# Altium PCB EE4951_BPM_REVA.PcbDoc (part 1 of 3)
Units mil, origin at the board's own origin, x right, y up, seen from the top; angles counter-clockwise.
Board outline 2500 x 2000 mil, 4 copper layers (Top Layer, Ground Plane, Mid Layer 1, Bottom Layer), stack 30.634 mil thick; 227 components, 141 nets, 756 pads, 403 vias.
Unrouted connection lines stored in the file: 7.
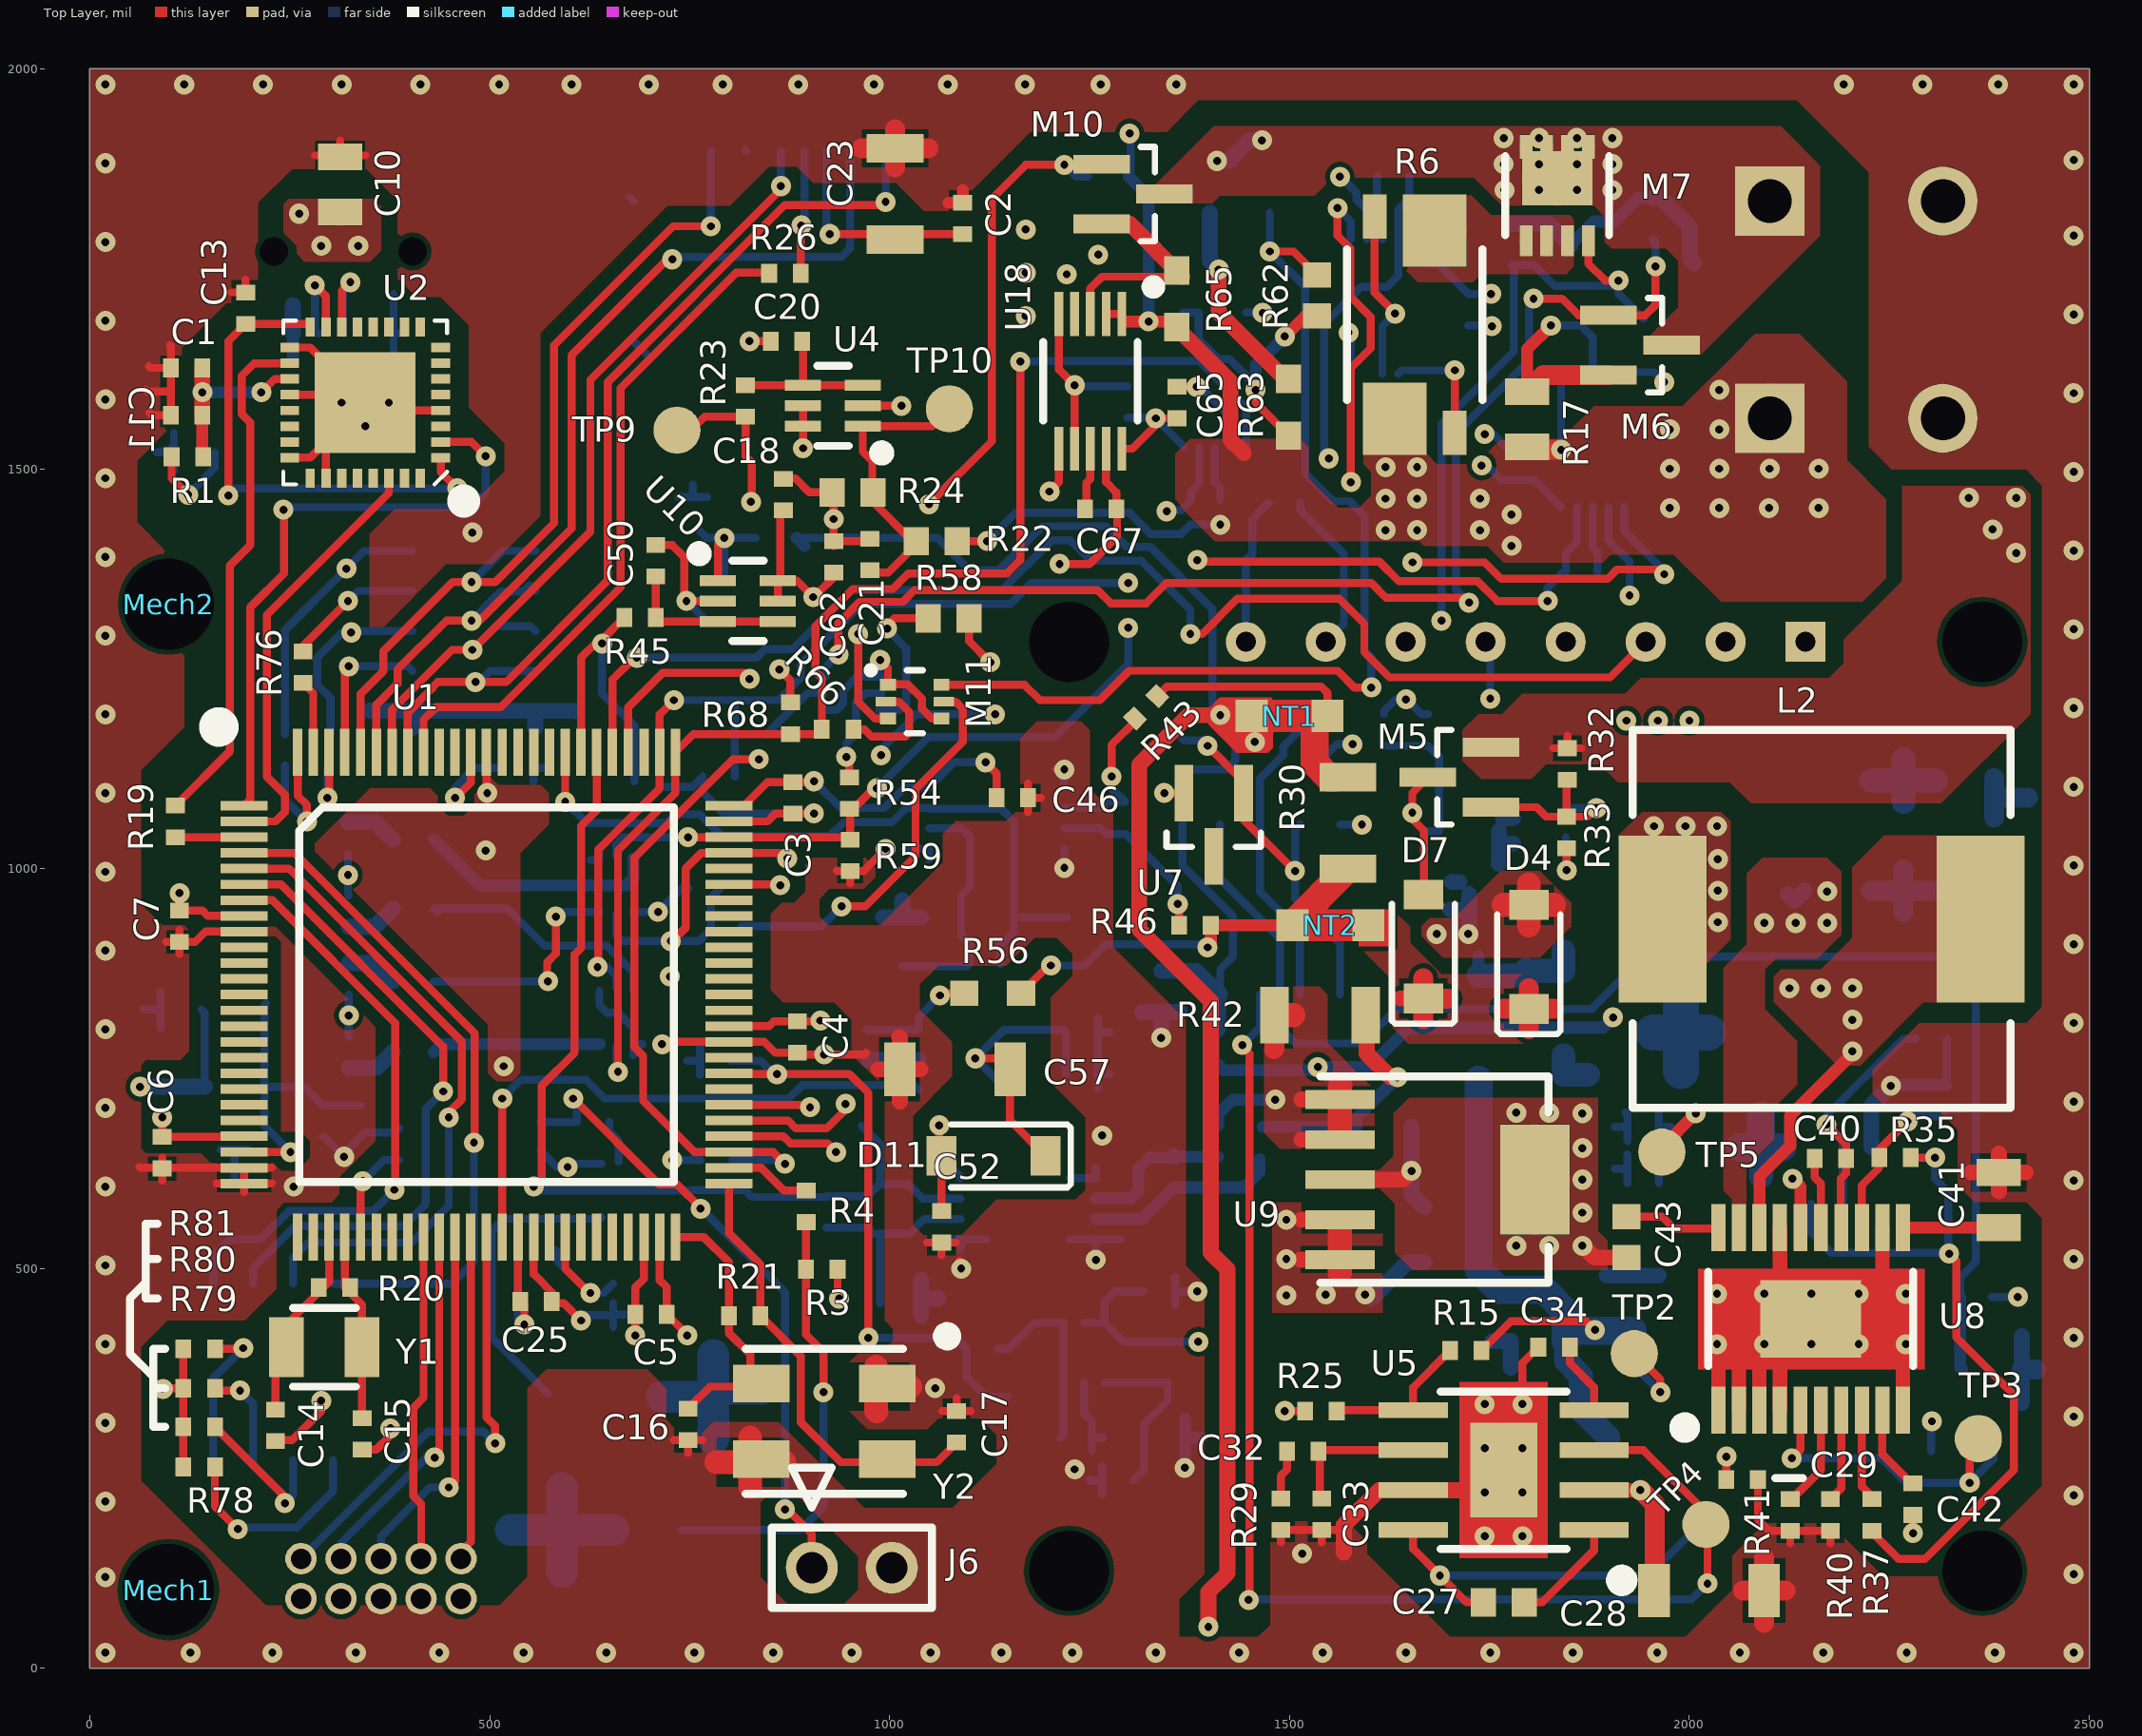
[diagram p0: Top Layer view]
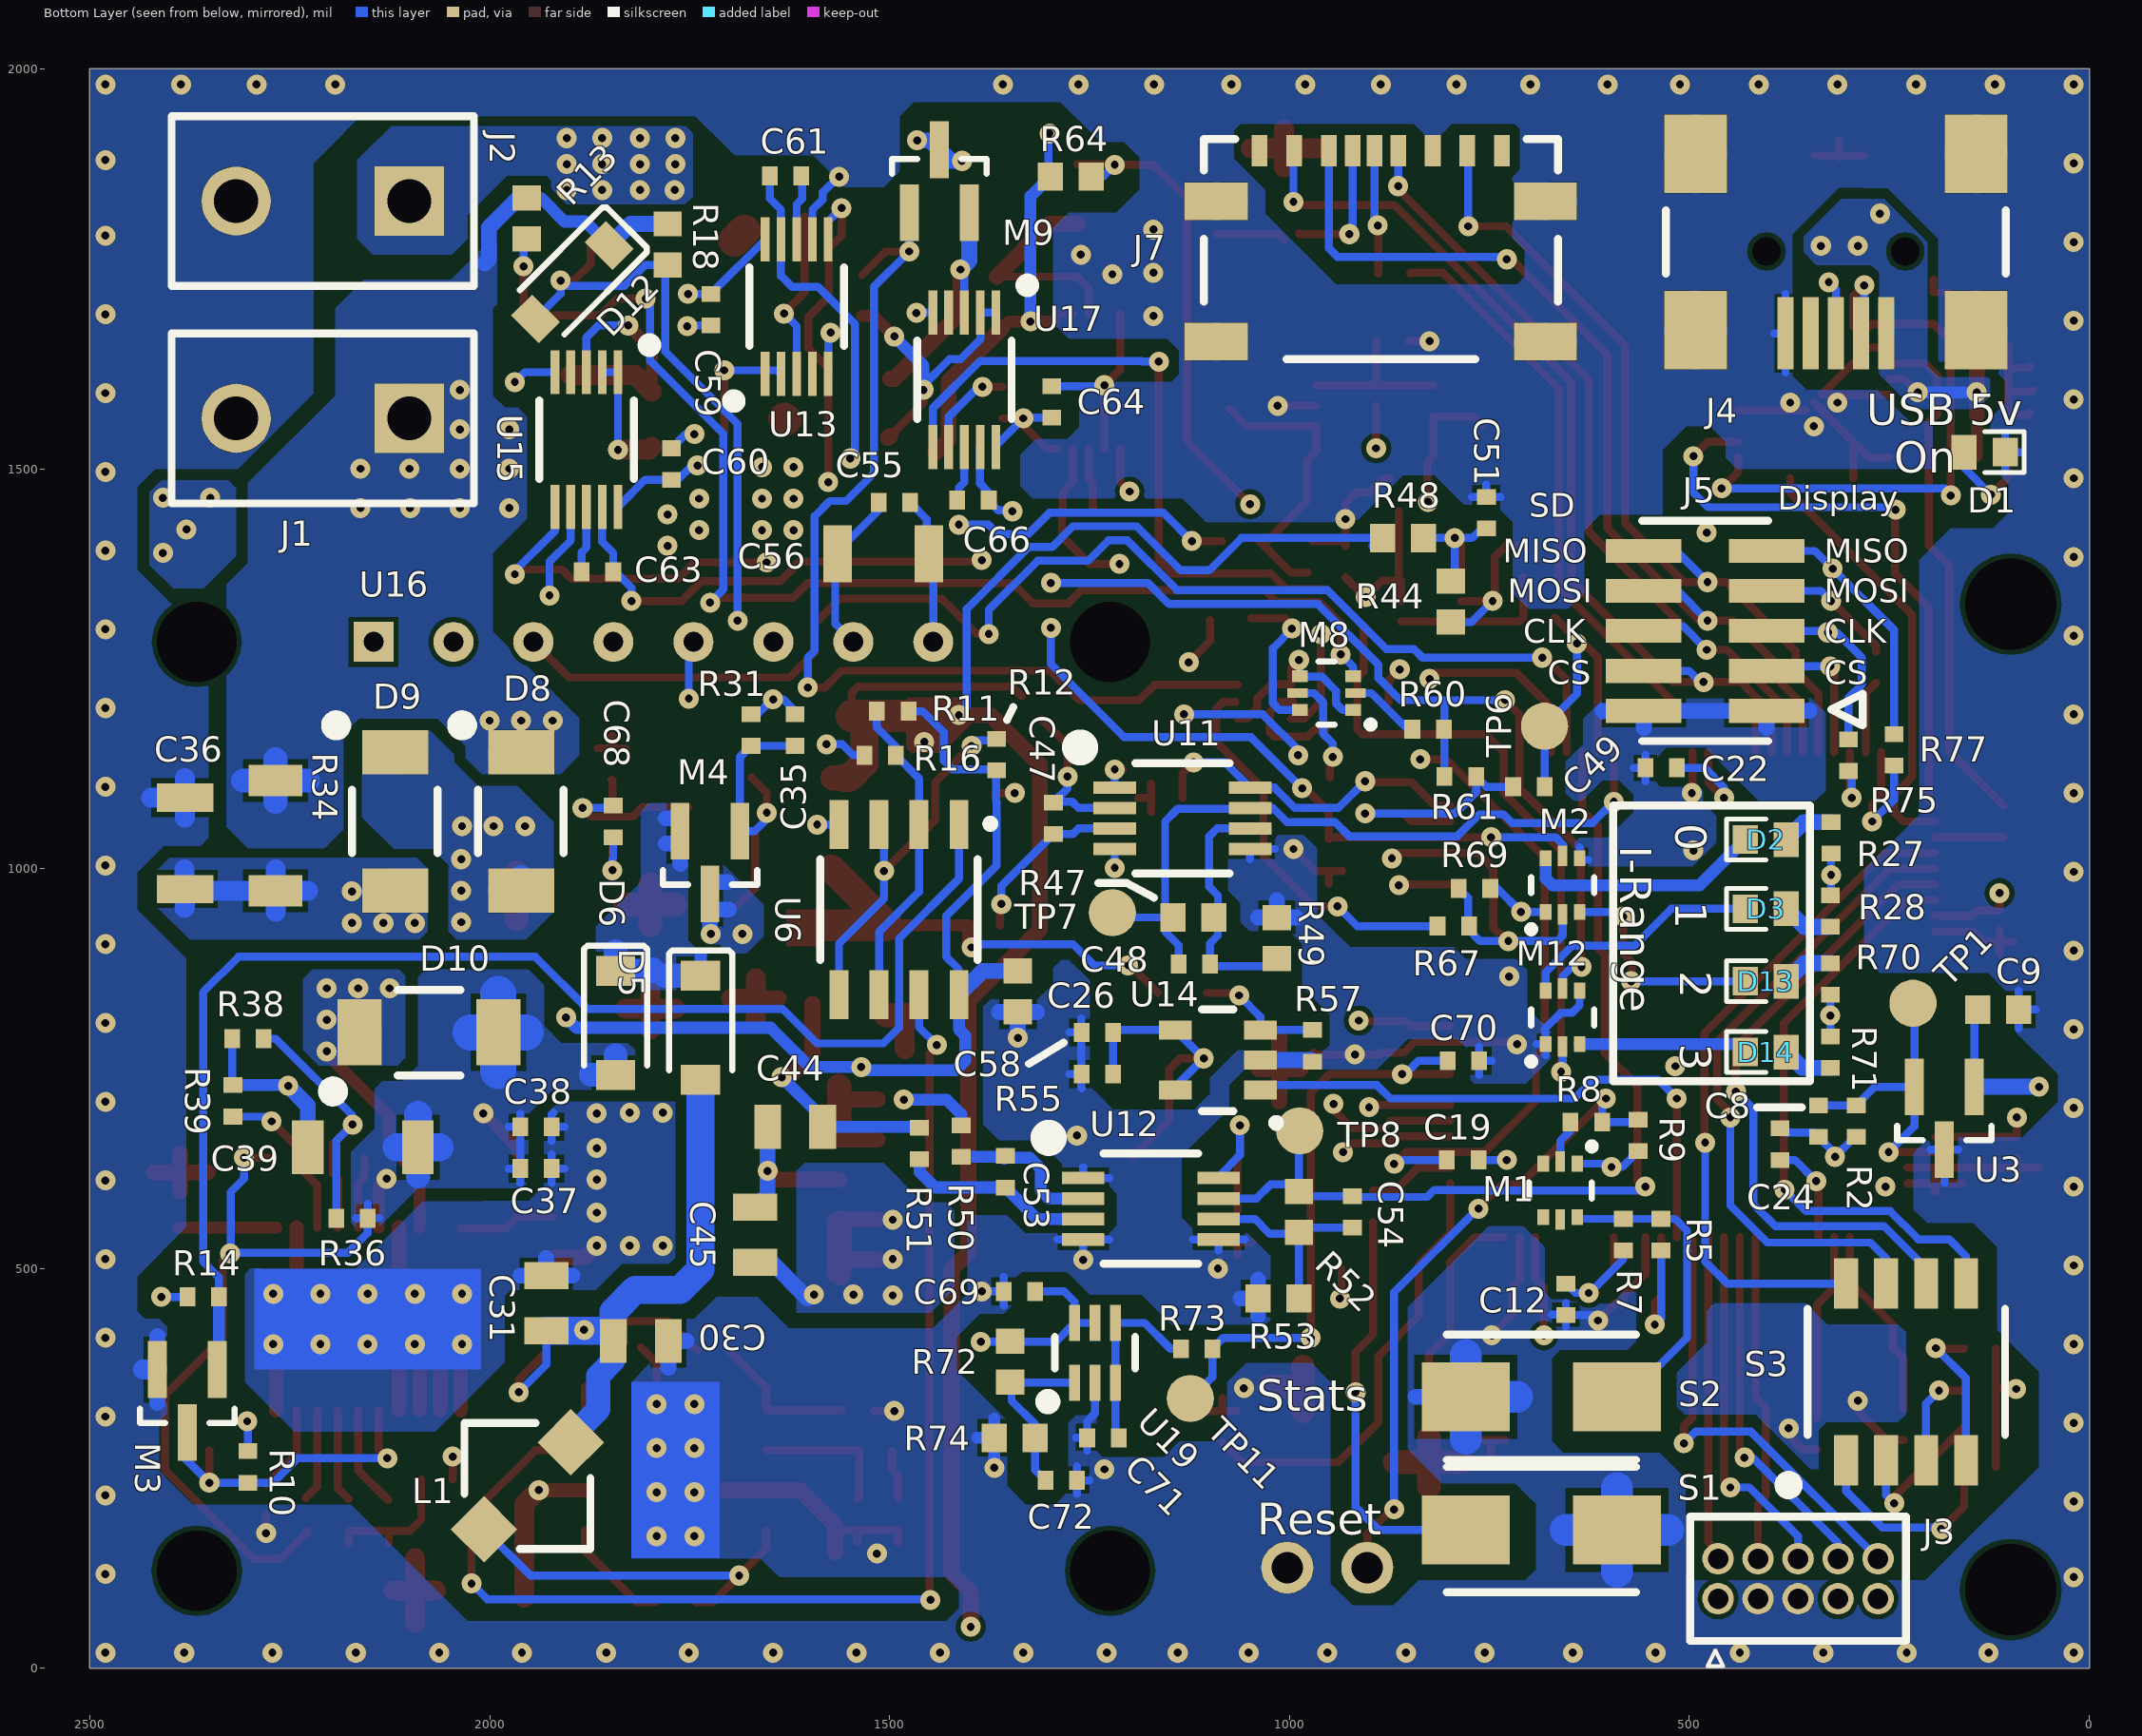
[diagram p1: Bottom Layer view, seen from below]
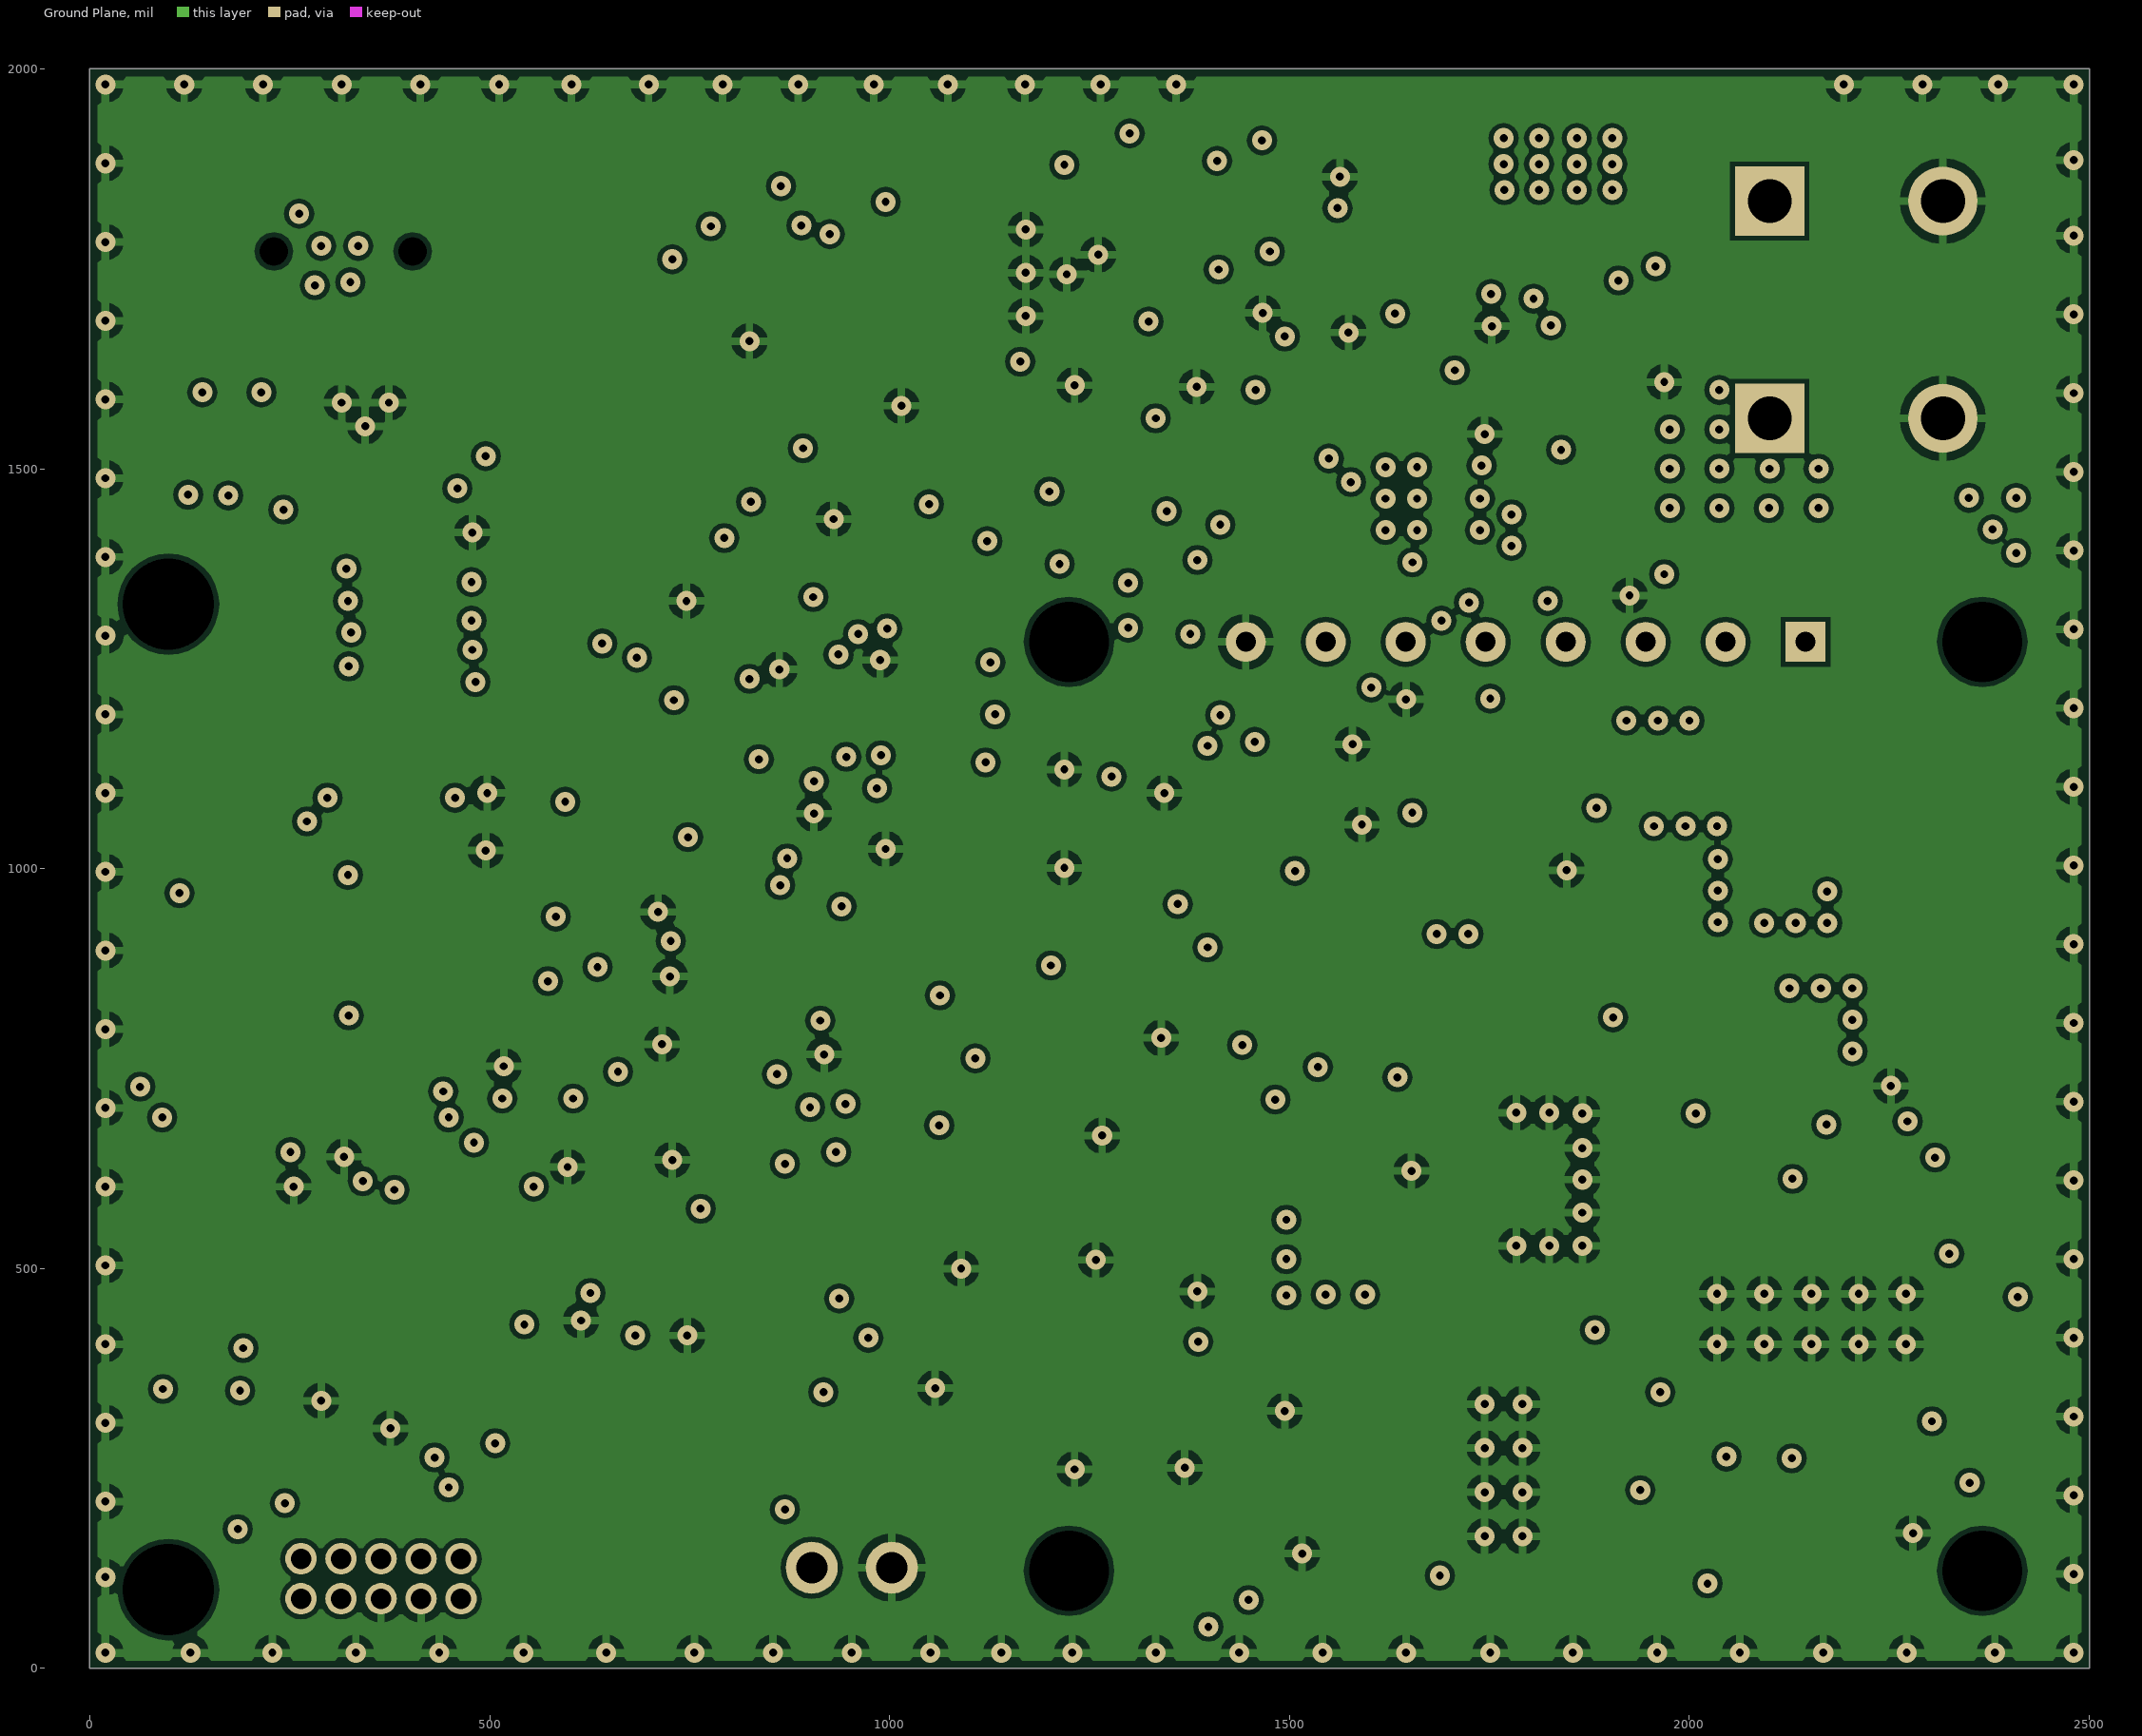
[diagram p2: Ground Plane]